# Altium PCB PCB.PcbDoc
Units mm, origin at the board's own origin, x right, y up, seen from the top; angles counter-clockwise.
Board outline 81.15 x 93.34 mm, 2 copper layers (Top Layer, Bottom Layer); 112 components, 54 nets, 295 pads, 392 vias.
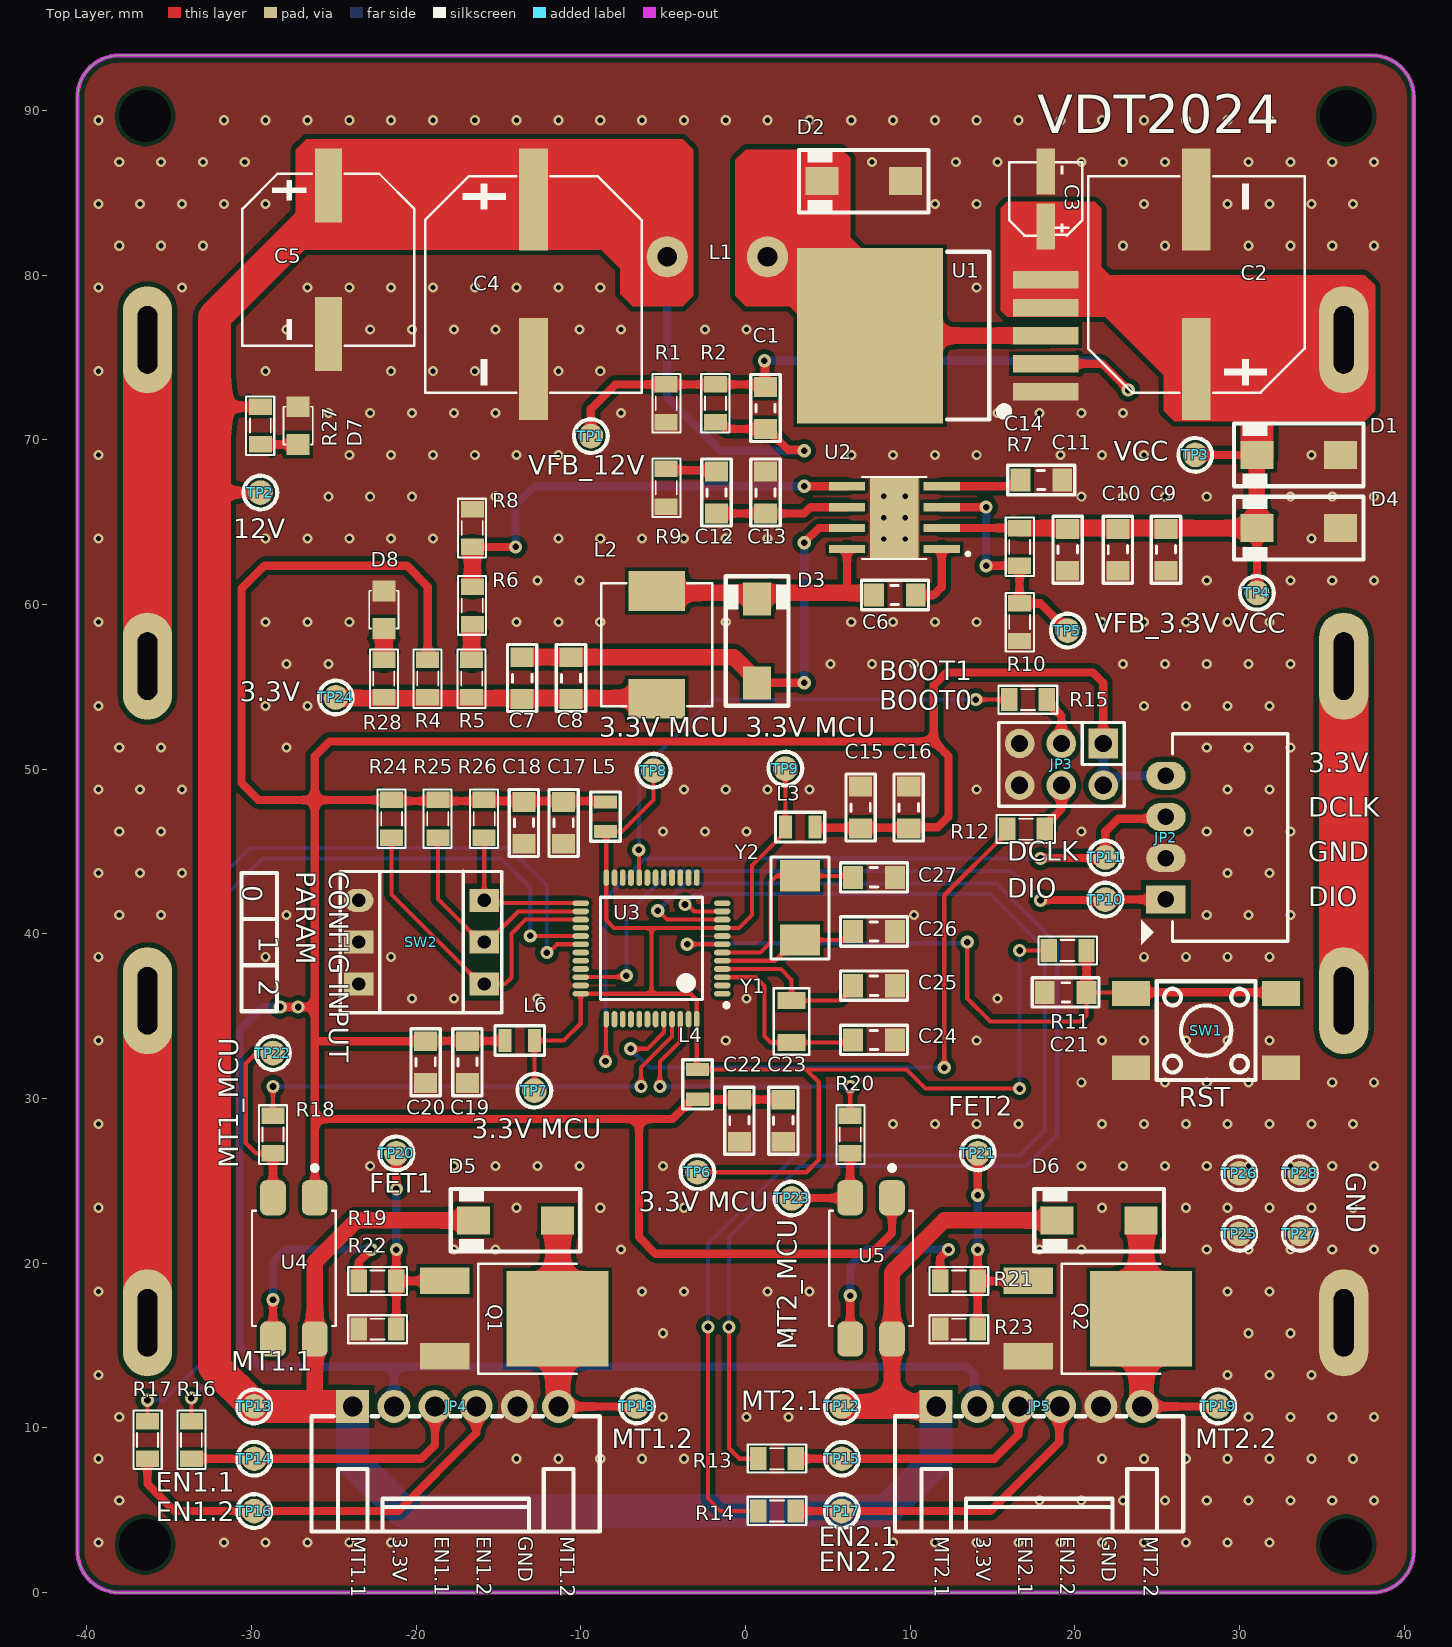
[diagram p0: Top Layer view]
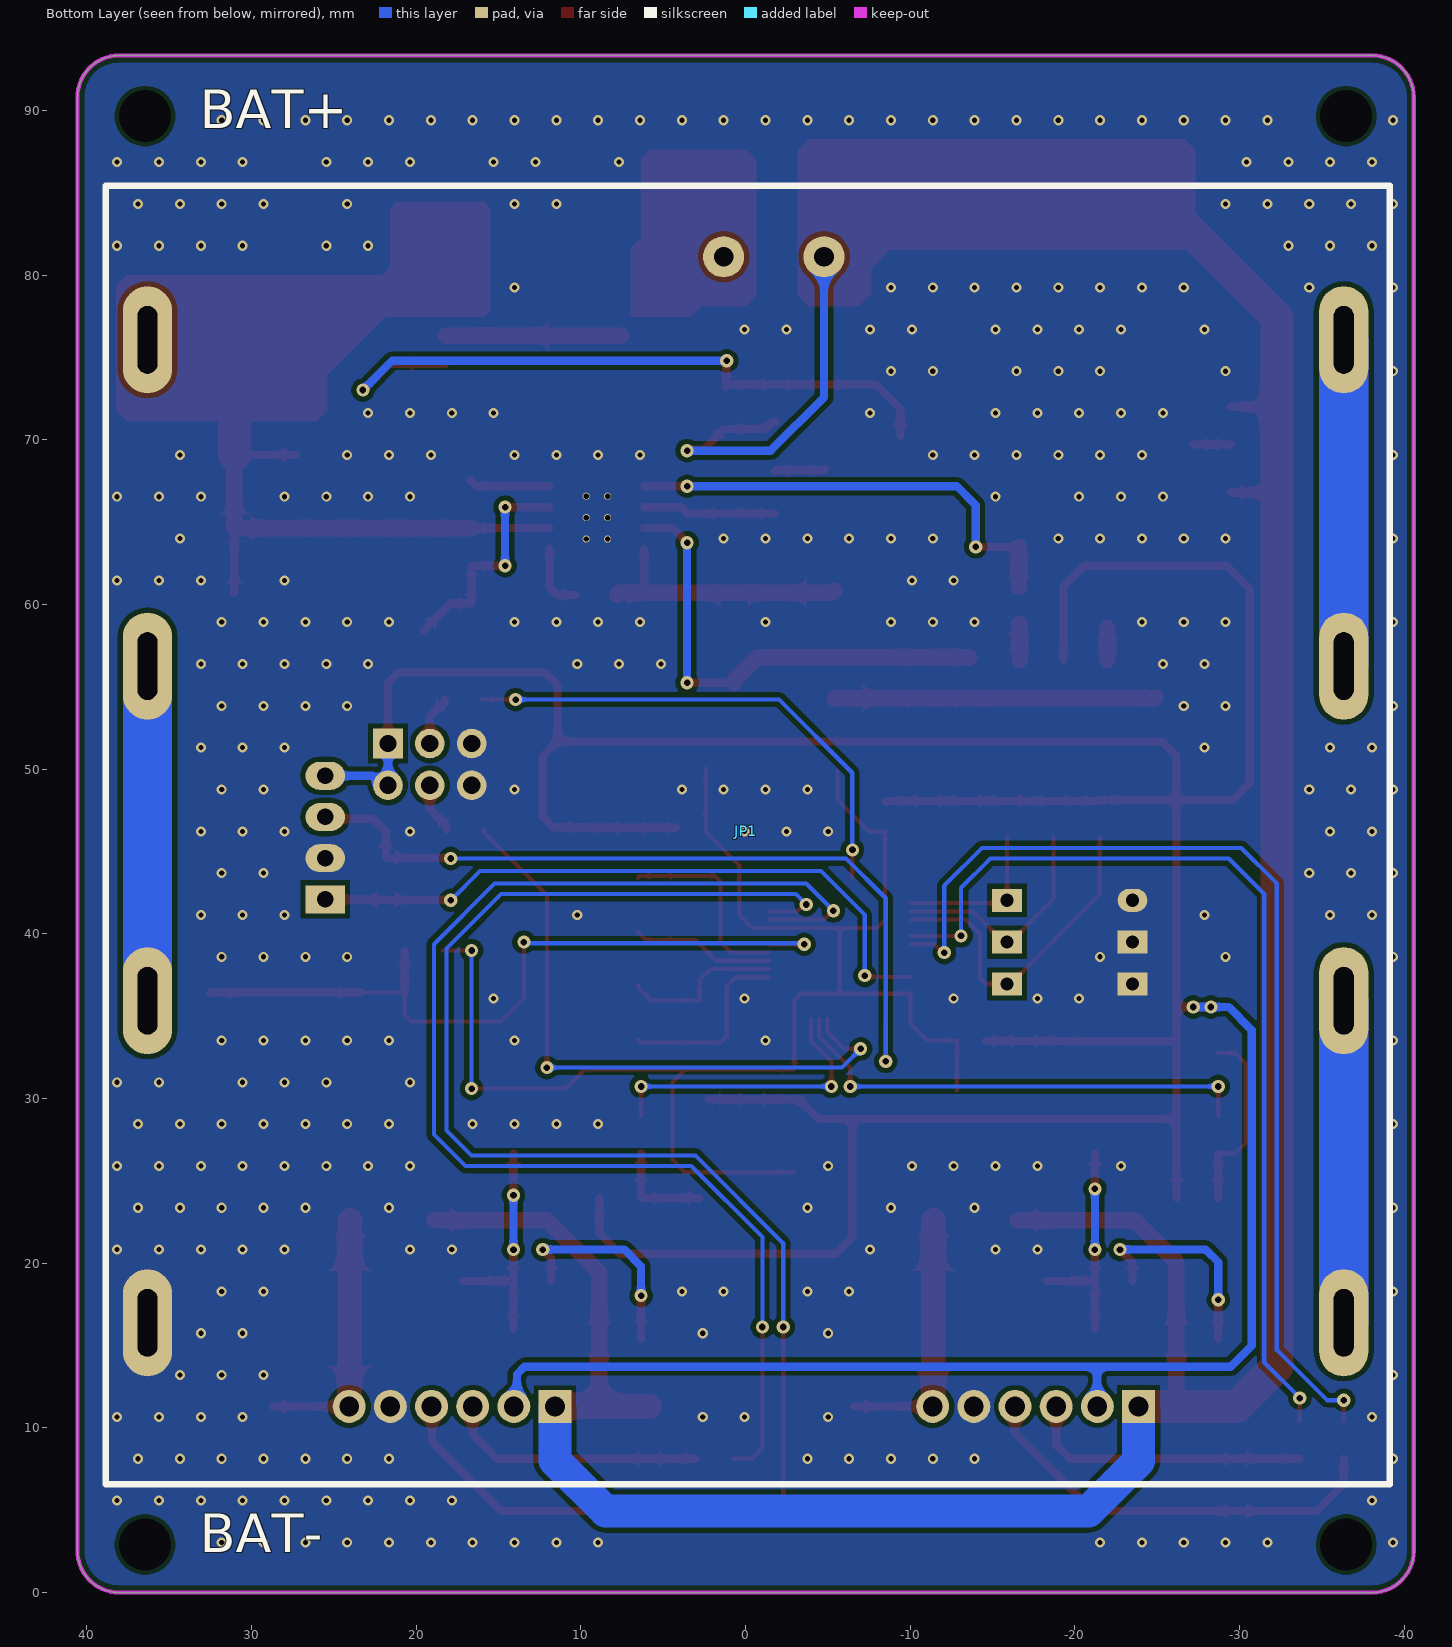
[diagram p1: Bottom Layer view, seen from below]

## Layer stack, top to bottom
Top Solder: solder mask 0.0102, Solder Resist, Dk 3.5
Top Layer: signal copper 0.0356
Dielectric 1: dielectric 0.32, FR-4, Dk 4.8
Bottom Layer: signal copper 0.0356
Bottom Solder: solder mask 0.0102, Solder Resist, Dk 3.5

## Board outline
-40.576,2.54 -40.577,90.805 cw(c-38.037,90.805) -38.036,93.345 38.036,93.345 cw(c38.036,90.805) 40.576,90.805 40.577,2.54 cw(c38.037,2.54) 38.036,0 -38.036,0 cw(c-38.036,2.54)

## Design rules (kind name [scope] priority, off if disabled: settings)
BoardOutlineClearance [All] p1: gap=0.2 ignorepadtopadclearanceinfootprint=FALSE
Clearance [All] p1: gap=0.127 ignorepadtopadclearanceinfootprint=FALSE except(0.2: SMDPad-Fill SMDPad-Poly SMDPad-Region; 0.25: Arc-Hole Track-Hole SMDPad-Hole THPad-Hole Via-Hole Fill-Hole Poly-Hole Region-Hole Text-Hole; 0.3: Arc-Fill Arc-Poly Arc-Region Track-Fill Track-Poly Track-Region THPad-Fill THPad-Poly THPad-Region Via-Fill Via-Poly Via-Region Fill-Fill Fill-Poly Fill-Region Poly-Poly Poly-Region Region-Region)
ComponentClearance [All] p1: gap=0.127 collisioncheckmode=3 verticalgap=0.127 showdistances=TRUE
DiffPairsRouting [All] p1: maxlimit=0.254 minlimit=0.127 mostfreqgap=0.127 toplayer_minwidth=0.127 toplayer_maxwidth=25.4 toplayer_prefwidth=0.127 bottomlayer_minwidth=0.127 bottomlayer_maxwidth=25.4 bottomlayer_prefwidth=0.127 maxuncoupledlength=12.7
Height [All] p1: minheight=0 maxheight=1816.048 prefheight=12.7
HoleSize [All] p1: absolutevalues=TRUE maxlimit=6.3 minlimit=0.3 maxpercent=80.000 minpercent=20.000
HoleToHoleClearance [All] p1: gap=0.25 allowstackedmicrovias=FALSE
MinimumAnnularRing [All] p1: minimumring=0.076
MinimumSolderMaskSliver [All] p1: minsoldermaskwidth=0
PlaneClearance [All] p1: clearance=0.127
PlaneConnect PlaneConnectPowerPads [InPadClass('PowerPads')] p1: planeconnectstyle=Direct reliefexpansion=0.508 reliefentries=4 reliefconductorwidth=0.254 reliefairgap=0.254
PlaneConnect [All] p2: planeconnectstyle=Direct reliefexpansion=0.3 reliefentries=4 reliefconductorwidth=0.127 reliefairgap=0.127
PolygonConnect PolygonConnectPowerPads [All vs (InPadClass('PowerPads'))] p1: connectstyle=Direct reliefconductorwidth=0.254 reliefentries=4 polygonreliefangle="90 Angle" airgapwidth=0.254
PolygonConnect [All] p2: connectstyle=Direct reliefconductorwidth=0.127 reliefentries=4 polygonreliefangle="90 Angle" airgapwidth=0.127
RoutingVias [All] p1: holewidth=0.3 width=0.6 viastyle="Through Hole" minholewidth=0.3 minwidth=0.6 maxholewidth=0.6 maxwidth=6.6
SilkToSilkClearance [All] p1: silktosilkclearance=0
SilkToSolderMaskClearance [IsPad] p1: minsilkscreentomaskgap=0.127 clearancetoexposedcopper=TRUE
SolderMaskExpansion [All] p1: expansion=0.075 istentingtop=FALSE
Width [All] p1: maxlimit=25.4 minlimit=0.127 preferedwidth=0.127 minimp=50.000000 maximp=50.000000 favimp=50.000000
20 further rules are at their usual default settings.

## Classes and differential pairs
component class "Voltage Source": C1 C2 C3 C4 C5 C6 C7 C8 C9 C10 C11 C12 C13 C14 D1 D2 D3 D4 D7 D8 JP1 L1 L2 R1 R2 R4 R5 R6 R7 R8 R9 R10 R27 R28 TP1 TP2 TP3 TP4 TP5 TP24 TP25 TP26 TP27 TP28 U1 U2
component class MCU: C15 C16 C17 C18 C19 C20 C21 C22 C23 C24 C25 C26 C27 JP2 JP3 JP4 JP5 L3 L4 L5 L6 R11 R12 R13 R14 R15 R16 R17 R24 R25 R26 SW1 SW2 TP6 TP7 TP8 TP9 TP10 TP11 TP12 TP13 TP14 TP15 TP16 TP17 TP18 TP19 U3 Y1 Y2
component class Driver: D5 D6 Q1 Q2 R18 R19 R20 R21 R22 R23 TP20 TP21 TP22 TP23 U4 U5

## Components (designator, comment, footprint, x,y, rotation, side; value= is the part's Value field where it differs from the comment)
C1 "33pF 50V" CAP_SMD_0805_NEW 1.206,72.009 r270 top
C2 "470uF 50V" CAP-ALU-SMD-D12.5xL13.5 27.368,74.295 r90 top
C3 "1uF 50V" "CAP-ALU-SMD-B -NEW" 18.224,82.964 r90 top
C4 "470uF 50V" CAP-ALU-SMD-D12.5xL13.5 -12.89,84.585 r270 top
C5 "220uF 50V" CAP-ALU-SMD-G-NEW -25.336,85.435 r270 top
C6 "100nF 50V" CAP_SMD_0805_NEW 9.144,60.579 r180 top
C7 "47uF 16V" CAP_SMD_0805_NEW -13.568,55.612 r270 top
C8 "47uF 16V" CAP_SMD_0805_NEW -10.605,55.612 r270 top
C9 "4.7uF 50V" CAP_SMD_0805_NEW 25.527,63.246 r90 top
C10 "4.7uF 50V" CAP_SMD_0805_NEW 22.606,63.246 r90 top
C11 "10nF 50V" CAP_SMD_0805_NEW 19.558,63.246 r90 top
C12 "1000pF 50V" CAP_SMD_0805_NEW -1.766,66.878 r270 top
C13 "47pF 50V" CAP_SMD_0805_NEW 1.206,66.878 r270 top
C14 "10nF 50V" CAP_SMD_0805_NEW 18.034,67.564 r180 top
C15 "100nF 50V" CAP_SMD_0805_NEW 6.985,47.752 r270 top
C16 "1uF 50V" CAP_SMD_0805_NEW 9.906,47.752 r270 top
C17 "100nF 50V" CAP_SMD_0805_NEW -11.049,46.66 r90 top
C18 "1uF 50V" CAP_SMD_0805_NEW -13.462,46.66 r90 top
C19 "100nF 50V" CAP_SMD_0805_NEW -16.891,32.131 r90 top
C20 "1uF 50V" CAP_SMD_0805_NEW -19.431,32.131 r90 top
C21 "100nF 50V" CAP_SMD_0805_NEW 19.355,36.449 r0 top
C22 "100nF 50V" CAP_SMD_0805_NEW -0.381,28.575 r90 top
C23 "1uF 50V" CAP_SMD_0805_NEW 2.286,28.575 r90 top
C24 "100pF 50V" CAP_SMD_0805_NEW 7.874,33.56 r180 top
C25 "100pF 50V" CAP_SMD_0805_NEW 7.874,36.851 r180 top
C26 "22pF 50V" CAP_SMD_0805_NEW 7.874,40.143 r180 top
C27 "22pF 50V" CAP_SMD_0805_NEW 7.874,43.434 r180 top
D1 "SS54" SMA 33.591,69.088 r180 top
D2 "SS54" SMA 7.175,85.706 r180 top
D3 "SS54" SMA 0.699,57.785 r90 top
D4 "SS54" SMA 33.591,64.643 r180 top
D5 "SS54" SMA -13.974,22.606 r180 top
D6 "SS54" SMA 21.463,22.606 r180 top
D7 "0805 RED" LED-0805-Red -27.178,69.723 r90 top
D8 "0805 RED" LED-0805-Red -21.971,58.547 r90 top
JP1 "18650 4P" "18650 Holder 4P" 36.322,75.565 r180 bottom
JP2 "XHB-4AW" CONN_XHB-4AW 25.527,45.847 r90 top
JP3 "JP2x3 2.54mm" JP2x3_M 21.717,51.562 r270 top
JP4 "XHB-6AW" XHB-6AW -23.859,11.303 r0 top
JP5 "XHB-6AW" XHB-6AW 11.574,11.303 r0 top
L1 "33uH 3A" L_TOR_13x7 -1.714,81.116 r180 top
L2 "CD74R_6.8uH" CD74R -5.397,54.277 r90 top
L3 "120Ohms 100Mhz" FB_0805 3.313,46.482 r0 top
L4 "120Ohms 100Mhz" FB_0805 -2.921,30.861 r270 top
L5 "120Ohms 100Mhz" FB_0805 -8.509,47.117 r90 top
L6 "120Ohms 100Mhz" FB_0805 -13.716,33.528 r180 top
Q1 "FDD8N50NZ" TO252-2 -11.43,16.637 r270 top
Q2 "FDD8N50NZ" TO252-2 24.003,16.637 r270 top
R1 "2K 1%" RES_SMD_0805 -4.826,72.223 r90 top
R2 "28K 1%" RES_SMD_0805 -1.828,72.223 r270 top
R4 "0R" RES_SMD_0805 -19.304,55.499 r270 top
R5 "0R" RES_SMD_0805 -16.637,55.499 r270 top
R6 "10.2K 1%" RES_SMD_0805 -16.594,59.944 r270 top
R7 "332K 1%" RES_SMD_0805 16.637,63.5 r90 top
R8 "3.24K 1%" RES_SMD_0805 -16.594,64.643 r270 top
R9 "29.4K 1%" RES_SMD_0805 -4.826,67.092 r90 top
R10 "68.1K 1%" RES_SMD_0805 16.637,58.928 r90 top
R11 "10K 1%" RES_SMD_0805 19.558,38.989 r180 top
R12 "100K 1%" RES_SMD_0805 17.018,46.355 r180 top
R13 "0R" RES_SMD_0805 1.905,8.128 r180 top
R14 "0R" RES_SMD_0805 1.905,4.953 r180 top
R15 "100K 1%" RES_SMD_0805 17.145,54.229 r0 top
R16 "0R" RES_SMD_0805 -33.655,9.271 r90 top
R17 "0R" RES_SMD_0805 -36.322,9.271 r90 top
R18 "220R 1%" RES_SMD_0805 -28.702,27.813 r90 top
R19 "10K 1%" RES_SMD_0805 -22.352,18.923 r0 top
R20 "220R 1%" RES_SMD_0805 6.35,27.813 r90 top
R21 "10K 1%" RES_SMD_0805 12.954,18.923 r0 top
R22 "10K 1%" RES_SMD_0805 -22.352,16.002 r0 top
R23 "10K 1%" RES_SMD_0805 12.954,16.002 r0 top
R24 "10K 1%" RES_SMD_0805 -21.501,46.99 r270 top
R25 "10K 1%" RES_SMD_0805 -18.688,46.99 r270 top
R26 "10K 1%" RES_SMD_0805 -15.875,46.99 r270 top
R27 "1K 1%" RES_SMD_0805 -29.464,70.866 r270 top
R28 "1K 1%" RES_SMD_0805 -21.971,55.499 r90 top
SW1 "SW SMD" SMD_6X6X7 32.512,31.877 r180 top
SW2 "DIP_SW_3P" DIPSWITCH3 -23.495,42.037 r270 top
TP1 "Test Point" TEST_POINT -9.398,70.231 r0 top
TP2 "Test Point" TEST_POINT -29.464,66.802 r0 top
TP3 "Test Point" TEST_POINT 27.305,69.088 r0 top
TP4 "Test Point" TEST_POINT 31.051,60.706 r0 top
TP5 "Test Point" TEST_POINT 19.558,58.42 r0 top
TP6 "Test Point" TEST_POINT -2.921,25.527 r0 top
TP7 "Test Point" TEST_POINT -12.827,30.48 r0 top
TP8 "Test Point" TEST_POINT -5.588,49.911 r0 top
TP9 "Test Point" TEST_POINT 2.413,50.038 r0 top
TP10 "Test Point" TEST_POINT 21.845,42.085 r180 top
TP11 "Test Point" TEST_POINT 21.845,44.641 r180 top
TP12 "Test Point" TEST_POINT 5.842,11.303 r90 top
TP13 "Test Point" TEST_POINT -29.845,11.303 r90 top
TP14 "Test Point" TEST_POINT -29.845,8.128 r90 top
TP15 "Test Point" TEST_POINT 5.842,8.128 r180 top
TP16 "Test Point" TEST_POINT -29.845,4.953 r90 top
TP17 "Test Point" TEST_POINT 5.842,4.953 r180 top
TP18 "Test Point" TEST_POINT -6.604,11.303 r90 top
TP19 "Test Point" TEST_POINT 28.702,11.303 r90 top
TP20 "Test Point" TEST_POINT -21.209,26.67 r90 top
TP21 "Test Point" TEST_POINT 14.097,26.67 r90 top
TP22 "Test Point" TEST_POINT -28.702,32.766 r90 top
TP23 "Test Point" TEST_POINT 2.794,23.931 r90 top
TP24 "Test Point" TEST_POINT -24.892,54.356 r90 top
TP25 "Test Point" TEST_POINT 29.972,21.78 r180 top
TP26 "Test Point" TEST_POINT 29.972,25.463 r180 top
TP27 "Test Point" TEST_POINT 33.655,21.78 r180 top
TP28 "Test Point" TEST_POINT 33.655,25.463 r180 top
U1 "XL4005E1" TO263-5 18.224,72.927 r90 top
U2 "TPS54331DDAR" TPS54531DDAR 9.032,65.278 r180 top
U3 "STM32F103C8T6" LQFP-48 -5.715,39.116 r180 top
U4 "PC817 SMD" PC817XL_SMD -27.432,19.685 r270 top
U5 "PC817 SMD" PC817XL_SMD 7.62,19.685 r270 top
Y1 "32.768KHz" 3215_2P 2.794,33.401 r90 top
Y2 "8Mhz" 5032_2P 3.302,39.624 r90 top

## Footprints (in the part's own frame and the unit in brackets; to place one, negate y for a bottom-side part, rotate by r counter-clockwise, add the part's x,y. Pads: shape width x height; smd on the part's side, far side on the other; paste and mask are expansions set on the pad)
3215_2P [mm]
  rect 1.05x1.7 smd paste+0 mask+0.051: 1(0,0) 2(2.55,0)
  silkscreen extent -0.75,-1.08 3.3,1.08, body extent -0.58,-0.91 3.15,0.91, height 0.38
5032_2P [mm]
  rect 1.9x2.4 smd paste+0 mask+0.051: 1(0,0) 2(3.9,0)
  silkscreen extent -1.15,-1.75 5.05,1.75, body extent -0.6,-1.6 4.41,1.6, height 0.8
"18650 Holder 4P" [mm]
  oval 3x6.5 hole 1.2 slot 4.1 at 90 deg paste-2539.97 mask+0.051: 1(0,0.508) 2(0,-19.304) 3(0,-39.624) 4(0,-59.182) 5(72.644,0.508) 6(72.644,-19.304) 7(72.644,-39.624) 8(72.644,-59.182)
  silkscreen extent -2.54,-68.98 75.44,9.85, body extent -2.68,-69.34 75.32,10.66, height 22.5
"CAP-ALU-SMD-B -NEW" [mm]
  rect 2.8x1.1 smd paste+0 mask+0.051: 1(0,0) 2(3.321,0)
  silkscreen extent -0.56,-2.23 3.9,2.23, body extent -0.65,-2.15 3.95,2.15, height 5.41
CAP-ALU-SMD-D12.5xL13.5 [mm]
  rect 6.2x1.75 smd paste+0 mask+0.051: 1(0,0) 2(10.29,0)
  silkscreen extent -1.43,-6.58 11.72,6.58, body extent -1.82,-6.75 11.98,6.75, height 13.5
CAP-ALU-SMD-G-NEW [mm]
  rect 4.5x1.65 smd paste+0 mask+0.051: 1(0,0) 2(9,0)
  silkscreen extent -0.73,-5.23 9.73,5.23, body extent -1.36,-5.15 10.24,5.15, height 10.2
CAP_SMD_0805_NEW [mm]
  rect 1.2x1.4 smd: 1(-1.194,0) 2(1.346,0)
  silkscreen extent -1.96,-0.89 2.11,0.89, body extent -1,-0.62 1,0.63, height 0.8
CD74R [mm]
  rect 2.424x3.42 smd paste+0 mask+0.051: 1(6.556,0) 2(0,0)
  silkscreen extent -0.45,-3.38 7,3.38, body extent -0.49,-3.79 7.11,3.81, height 3.55
CONN_XHB-4AW [mm]
  rect 1.7x2.4 hole 1: 1(-3.751,0)
  oval 1.7x2.4 hole 1: 2(-1.249,0) 3(1.253,0) 4(3.755,0)
  silkscreen extent -6.5,-7.4 6.3,1.5, body extent -6.25,-7.4 6.25,0.24, height 5.95
DIPSWITCH3 [mm]
  oval 1.4x1.8 hole 0.8: 1(0,0)
  rect 1.4x1.8 hole 0.8: 2(2.54,0) 3(5.08,0) 4(5.08,7.62) 5(2.54,7.62) 6(0,7.62)
  silkscreen extent -1.78,-1.12 6.83,8.69, body extent -1.99,-1.19 7.09,8.71, height 6.8
FB_0805 [mm]
  rect 0.8x1.4 smd: 1(-0.9,0) 2(0.9,0)
  silkscreen extent -1.5,-0.9 1.5,0.9, body extent -1,-0.6 1,0.6, height 0.9
JP2x3_M [mm]
  rect 1.8x1.8 hole 1.05 paste-2539.97 mask+0.051: 1(0,0)
  round 1.8 hole 1.05 paste-2539.97 mask+0.051: 2(2.54,0) 3(0,-2.54) 4(2.54,-2.54) 5(0,-5.08) 6(2.54,-5.08)
  silkscreen extent -1.27,-6.35 3.81,1.27, body extent -1.27,-6.35 3.81,1.27, height 8.6
L_TOR_13x7 [mm]
  round 2.5 hole 1.2: 1(-3.048,0) 2(3.048,0)
  body extent -3.37,-6.62 3.37,6.62, height 12.82
LED-0805-Red [mil]
  rect 50x55 smd: 1(0,0) 2(90,0)
  silkscreen extent 0,-35 90,35, body extent 5,-25 85,25, height 43
LQFP-48 [mm]
  oval 1x0.35 smd: 1(-4.296,2.75) 2(-4.296,2.25) 3(-4.296,1.75) 4(-4.296,1.25) 5(-4.296,0.75) 6(-4.296,0.25) 7(-4.296,-0.25) 8(-4.296,-0.75) 9(-4.296,-1.25) 10(-4.296,-1.75) 11(-4.296,-2.25) 12(-4.296,-2.75) 25(4.296,-2.75) 26(4.296,-2.25) 27(4.296,-1.75) 28(4.296,-1.25) 29(4.296,-0.75) 30(4.296,-0.25) 31(4.296,0.25) 32(4.296,0.75) 33(4.296,1.25) 34(4.296,1.75) 35(4.296,2.25) 36(4.296,2.75)
  oval 0.35x1 smd: 13(-2.75,-4.296) 14(-2.25,-4.296) 15(-1.75,-4.296) 16(-1.25,-4.296) 17(-0.75,-4.296) 18(-0.25,-4.296) 19(0.25,-4.296) 20(0.75,-4.296) 21(1.25,-4.296) 22(1.75,-4.296) 23(2.25,-4.296) 24(2.75,-4.296) 37(2.75,4.296) 38(2.25,4.296) 39(1.75,4.296) 40(1.25,4.296) 41(0.75,4.296) 42(0.25,4.296) 43(-0.25,4.296) 44(-0.75,4.296) 45(-1.25,4.296) 46(-1.75,4.296) 47(-2.25,4.296) 48(-2.75,4.296)
  silkscreen extent -4.68,-3.1 3.1,3.57, body extent -4.5,-4.5 4.5,4.5, height 1.6
PC817XL_SMD [mm]
  rrect50% 2.13x1.57 smd: 1(-4.29,1.27) 2(-4.29,-1.27) 3(4.29,-1.27) 4(4.29,1.27)
  silkscreen extent -6.25,-2.54 3.5,2.54, body extent -4.87,-2.29 4.87,2.29, height 4
RES_SMD_0805 [mil]
  rect 39.37x55 smd: 1(-45,0) 2(45,0)
  silkscreen extent -70,-34 70,33, body extent -39,-25 39,25, height 31
SMA [mm]
  rect 2x1.7 smd: A(-2.544,0) C(2.544,0)
  silkscreen extent -3.94,-1.9 3.94,1.91, body extent -2.6,-1.45 2.6,1.45, height 2.3
SMD_6X6X7 [mm]
  rect 2.3x1.5 smd: 1(0,0) 2(9.1,0) 3(0,-4.5) 4(9.1,-4.5)
  silkscreen extent 1.55,-5.25 7.55,0.75, body extent 0.06,-5.3 9.08,0.73, height 7
TEST_POINT [mm]
  round 1.5 smd: 1(0,0)
  silkscreen extent -1.02,-1.02 1.02,1.02
TO252-2 [mm]
  rect 1.6x3 smd paste+0 mask+0.051: 1(-2.29,-6.848) 3(2.29,-6.848)
  rect 5.8x6.2 smd paste+0 mask+0.051: 2(0,0)
  silkscreen extent -3.35,-4.81 3.35,1.16, body extent -3.36,-7.81 3.36,2.47, height 2.38
TO263-5 [mm]
  rect 1.069x4 smd paste+0 mask+0.051: 1(0,0) 2(1.7,0) 3(3.4,0) 4(5.099,0) 5(6.799,0)
  rect 10.66x8.89 smd paste+0 mask+0.051: 6(3.4,10.668)
  silkscreen extent -1.7,2.28 8.5,5.99, body extent -1.68,-1 8.48,13.64, height 4.57
TPS54531DDAR [mm]
  rect 2.2x0.5 smd paste-2 mask+0: 1(-2.875,1.905) 2(-2.875,0.635) 3(-2.875,-0.635) 4(-2.875,-1.905)
  rrect10% 2.2x0.5 smd paste-2 mask+0: 5(2.875,-1.905) 6(2.875,-0.635) 7(2.875,0.635) 8(2.875,1.905)
  round 0.43 hole 0.33 mask+0: 9(-0.65,1.3) 9(-0.65,0) 9(-0.65,-1.3) 9(0.65,1.3) 9(0.65,0) 9(0.65,-1.3)
  rect 2.95x4.9 smd paste-3 mask+0: 9(0,0)
  silkscreen extent -4.57,-2.47 1.95,2.52, body extent -3,-2.45 3,2.45, height 1.7
XHB-6AW [mm]
  rect 2x2 hole 1.2 paste-2539.97 mask+0.05: 1(0,0)
  round 2 hole 1.2 paste-2539.97 mask+0.05: 2(2.5,0) 3(5,0) 4(7.5,0) 5(10,0) 6(12.5,0)
  silkscreen extent -2.5,-7.6 15,-0.6, body extent -2.46,-7.66 14.91,0.38, height 5.84
